# KiCad board 6502PC-6U.kicad_pcb (continued)
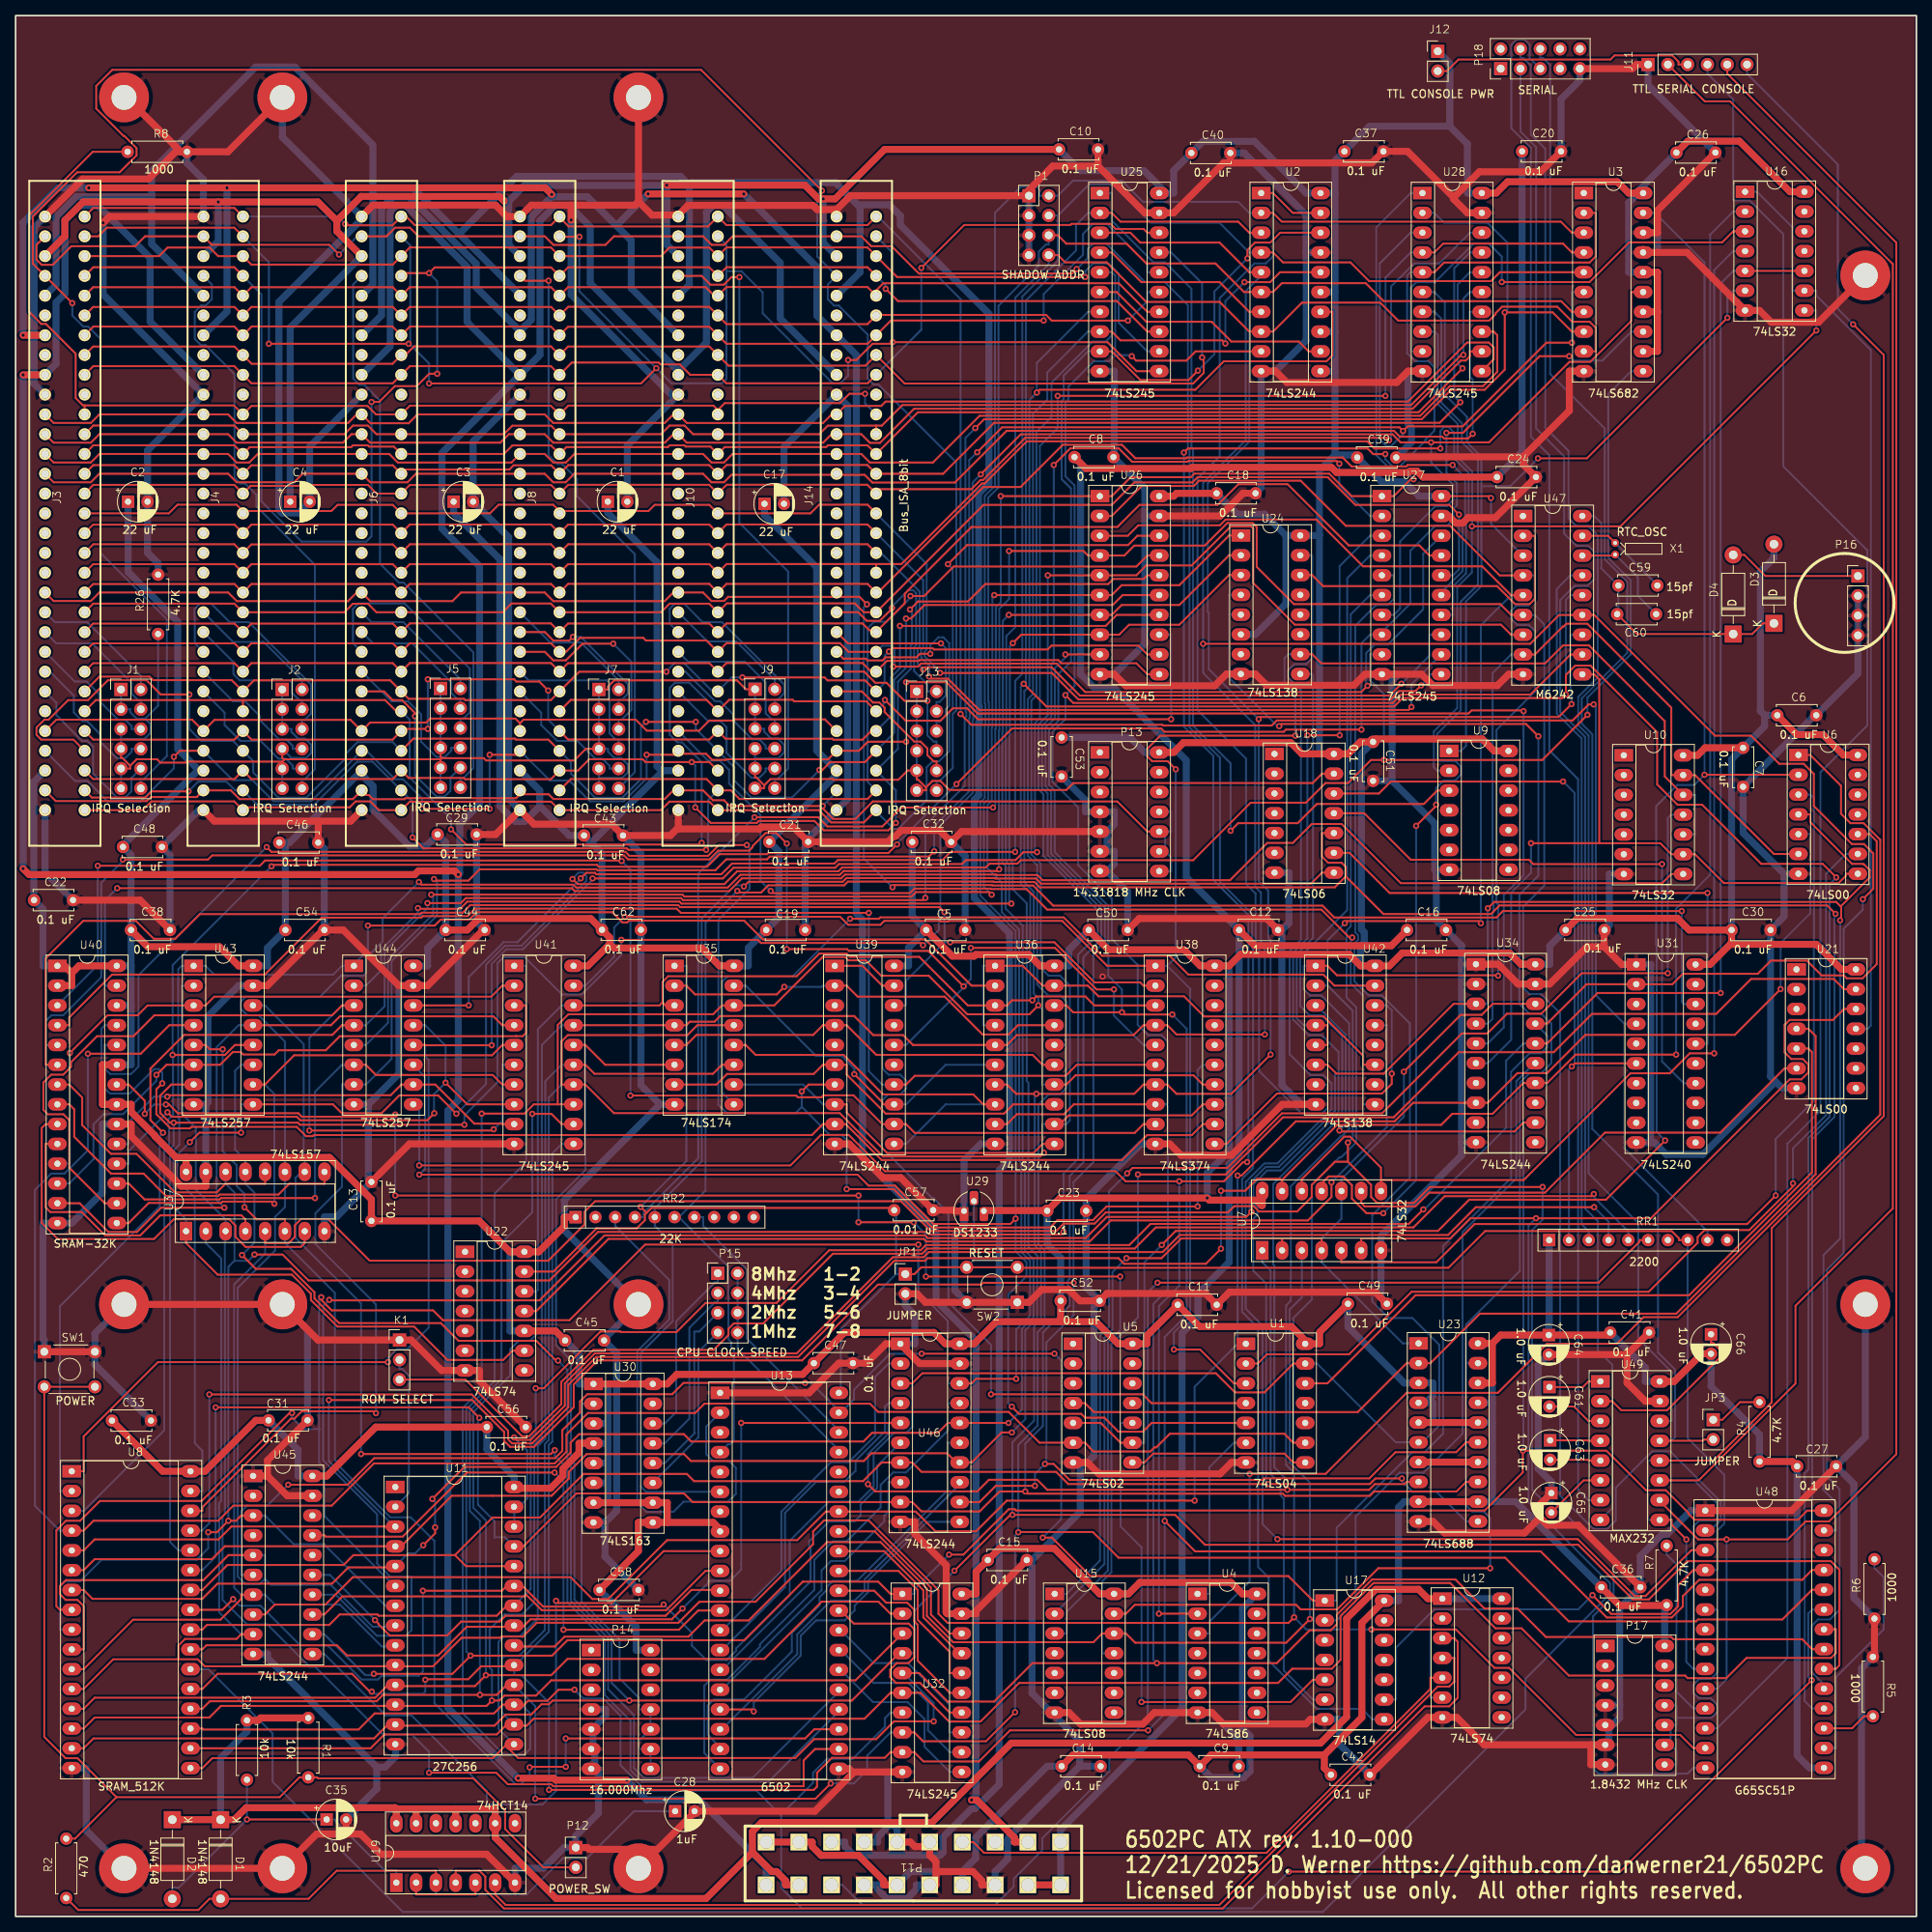
[diagram p0: board, top side]
## Routing (per net, layer and track width the routed paths; a pad name or vN(x,y) marks a point on that pad's centre or on a via; arc(x,y) is an arc through that point) (continued)
mA5: length 274.7
  Top w0.25: v1(127.46,63.35) U46.16 119.67,63.35 118.4,62.08 109.95,62.08 108.84,60.97 86.73,60.97 85.79,61.91 72.33,61.91 71.24,60.81 71.24,59.54 69.4,57.7 57.61,57.7 v1(53.5,53.59) ; v1(127.5,167.07) U26.7 140.71,167.07 141.98,168.34 149.38,168.34 155.76,174.72 U24.2 ; U8.7 8.73,41.9 9.87,40.77 23.96,40.77 25.91,42.72 40.62,42.72 42.71,44.81 48.78,44.81 ; v1(52.33,47.65) 53.86,49.17 v1(53.86,49.94)
  Bottom w0.25: v1(53.5,53.59) 53.86,53.24 v1(53.86,49.94) ; v1(127.5,167.07) 126.73,166.31 126.73,152.1 126.66,152.03 126.66,135.3 127.09,134.86 127.09,129.37 129.27,127.2 129.27,97.14 129.54,96.87 129.54,85.48 130.66,84.36 130.66,76.93 129.17,75.43 129.17,65.06 v1(127.46,63.35) ; U11.5 50.39,46.61 51.29,46.61 v1(52.33,47.65)
mA6: length 267.9
  Top w0.25: 49.06,47.35 49.34,47.35 55.99,54 61.22,54 61.23,54 68.8,54 71.02,56.22 71.02,57.06 73.31,59.35 85.8,59.35 86.69,58.46 108.88,58.46 109.87,59.45 119.57,59.45 120.76,58.27 U46.14 122.72,58.27 126.57,62.12 v1(127.89,62.12) ; 49.06,47.35 48.89,47.52 26.86,47.52 25.2,45.85 10.15,45.85 8.73,44.44 U8.6 ; 49.06,47.35 48.78,47.35 ; v1(128.01,163.44) 129.1,164.53 U26.8 141.66,164.53 142.93,165.8 149.38,165.8 155.76,172.18 U24.3
  Bottom w0.25: v1(128.01,163.44) 127.63,163.06 127.63,151.73 127.56,151.65 127.56,135.67 127.99,135.23 127.99,131.86 129.79,130.06 129.79,107.25 130.02,107.02 130.02,85.96 131.14,84.83 131.14,76.77 129.62,75.25 129.62,63.85 v1(127.89,62.12)
mA7: length 360.1
  Top w0.25: v1(40.21,66.28) 58.62,66.28 62.72,62.19 62.72,61.05 63.49,60.27 66.55,60.27 71.65,65.37 71.65,68.3 74.72,71.37 100.96,71.37 110.69,81.11 123.97,81.11 124.19,81.33 v1(135.8,81.33) ; 48.78,49.89 47.65,49.89 47.48,50.06 27.72,50.06 26.05,48.39 10.15,48.39 8.73,46.98 U8.5 ; U23.15 186.19,60.86 184.92,59.59 177.13,59.59 173.77,56.23 160.22,56.23 160.02,56.02 135.32,56.02 133.25,58.09 v1(132.13,58.09) ; U46.12 123.74,53.19 125.82,55.27 v1(130.84,55.27) ; U26.9 v1(134.75,161.99)
  Bottom w0.25: 48.78,49.89 40.21,58.45 v1(40.21,66.28) ; v1(130.84,55.27) 130.84,56.8 v1(132.13,58.09) 132.32,58.27 132.32,73.69 135.8,77.17 v1(135.8,81.33) 135.8,94.27 138.35,96.81 138.35,123.7 139.82,125.17 139.82,129.53 132.93,136.42 132.93,144.34 132.21,145.06 132.21,152.61 133.4,153.8 133.4,160.23 134.75,161.59 v1(134.75,161.99)
mA8: length 394.4
  Top w0.25: U23.13 186.19,55.78 184.96,54.55 174.4,54.55 173.84,53.99 162.95,53.99 162.67,54.27 129.89,54.27 v1(129.61,54.55) 126.31,54.55 123.75,52 116.29,52 115.1,53.19 U46.9 86.91,53.19 85.81,54.29 71.97,54.29 65.03,47.35 64.02,47.35 ; v1(169.92,186.48) 169.57,186.83 150.55,186.83 150.45,186.73 143.32,186.73 141.6,188.45 135.4,188.45 v1(133.26,186.31) ; v1(59.53,64) 58.17,65.35 v1(25.68,65.35)
  Bottom w0.25: v1(59.53,64) 59.36,63.83 59.36,52.85 61.48,50.73 61.48,48.67 62.82,48.67 U11.25 ; v1(129.61,54.55) 129.61,60.7 131.87,62.96 131.87,74.96 135.32,78.41 135.32,80.79 135.08,81.03 135.08,81.63 135.32,81.87 135.32,95.05 137.07,96.81 137.07,123.14 139.37,125.44 139.37,129.35 132.48,136.23 132.48,144.15 131.76,144.87 131.76,152.82 132.95,154.01 132.95,160.8 133.26,161.11 v1(133.26,186.31) ; v1(169.92,186.48) 169.92,183.72 173.87,179.77 U27.2 ; U8.27 23.97,44.44 25.68,46.14 v1(25.68,65.35)
mA9: length 326
  Top w0.25: v1(177.95,56.22) 174.56,56.22 173.84,55.5 v1(160.78,55.5) 135.12,55.5 133.56,57.07 116.3,57.07 115.1,58.27 U46.7 111.18,58.27 108.78,55.87 87.09,55.87 86.17,56.8 72.91,56.8 67.31,51.21 61.22,51.21 56.4,46.38 ; v1(165.82,151.62) v1(169.96,151.62) ; 56.4,46.38 56.39,46.38 43.37,46.38 42.1,45.11 27.18,45.11 23.97,41.9 U8.26 ; 56.4,46.38 57.81,44.96 U11.24 ; 64.02,44.81 62.89,44.81
  Bottom w0.25: U23.11 186.19,50.7 182.38,54.51 179.35,54.51 177.95,55.9 v1(177.95,56.22) ; v1(160.78,55.5) 160.53,55.76 160.53,81.25 158.86,82.91 158.86,89.53 159.39,90.06 159.39,90.96 158.89,91.46 158.89,93.99 160.66,95.76 162.41,95.76 169.82,103.17 169.82,110.96 167.65,113.13 165.99,113.13 164,115.12 164,123.71 165.82,125.53 v1(165.82,151.62) ; v1(169.96,151.62) 169.96,173.33 173.87,177.23 U27.3
mA10: length 331.3
  Top w0.25: v1(85.61,39.52) 84.26,38.18 84.26,38.14 66.1,38.14 65.14,37.19 57.92,37.19 54.23,33.5 42.55,33.5 41.24,34.81 24.5,34.81 23.97,34.28 U8.23 ; U23.8 178.57,55.78 178.28,55.49 174.48,55.49 173.74,54.76 v1(163.25,54.76) 132.43,54.76 131.14,56.05 124.94,56.05 123.45,54.56 110.34,54.56 v1(109.42,55.48) ; U46.5 v1(93.14,63.35)
  Bottom w0.25: U27.4 173.87,174.69 170.93,171.75 170.93,129.18 164.9,123.15 164.9,116.86 166.09,115.67 167.61,115.67 170.29,112.99 170.29,102.86 161.44,94.01 161.44,83.69 161.58,83.54 161.58,57.65 163.25,55.98 v1(163.25,54.76) ; v1(109.42,55.48) 109.42,59.35 112.05,61.98 112.05,63.35 U46.5 ; v1(85.61,39.52) 88.91,42.82 88.91,43.08 91.7,43.08 93.14,44.52 v1(93.14,63.35)
mA11: length 342.4
  Top w0.25: v1(83.18,40.04) 82.91,39.77 67.72,39.77 65.23,42.27 62.89,42.27 62.43,41.8 v1(52.29,41.8) ; U8.25 26.55,39.36 v1(27.92,40.73) ; U46.3 115.1,68.43 116.39,69.72 154.08,69.72 156.54,67.27 160.31,67.27 164.01,70.97 U1.13
  Bottom w0.25: v1(83.18,40.04) 86.81,36.41 86.81,34.76 88.65,32.92 91.19,32.92 91.26,32.86 92.5,34.1 92.5,34.41 99.37,41.28 99.37,48.21 104.41,53.25 108.21,53.25 110.14,55.18 110.14,59.44 112.78,62.08 114.35,62.08 115.1,62.82 115.1,68.43 U46.3 ; U27.5 176.92,172.15 176.92,169.12 176.14,168.34 174.65,168.34 171.97,165.66 171.97,126.33 172.35,125.96 172.35,125.35 171.87,124.88 171.87,120.03 173.69,118.21 175.4,118.21 178.97,114.63 178.97,94.83 174.14,90 174.14,78.93 176.26,76.81 179.32,76.81 182.74,73.39 182.74,63.01 180.58,60.86 U23.6 177.17,60.86 167.06,70.97 U1.13 ; v1(27.92,40.73) 28.76,39.89 31.43,39.89 36.51,34.81 40.03,34.81 44.42,30.41 46.53,30.41 47,30.89 51.74,30.89 52.29,31.43 v1(52.29,41.8)
mA12: length 370.4
  Top w0.25: U1.9 164.01,60.81 162.86,61.96 148.17,61.96 146.43,60.22 146.2,60.22 145.67,59.68 138.34,59.68 137.86,60.17 137.86,60.22 137.27,60.81 U5.6 131.43,60.81 127.48,64.76 110.73,64.76 109.68,65.82 88.42,65.82 87.22,64.62 73.47,64.62 70.72,61.87 70.72,59.65 69.21,58.15 45.99,58.15 40.58,52.73 27.95,52.73 26.01,50.79 10,50.79 8.73,49.52 U8.4 ; v1(9.28,110.74) 16.06,110.74 19.72,114.4 U43.4
  Bottom w0.25: U8.4 5.68,49.52 2.49,52.71 2.49,93.27 4.57,95.35 6.29,95.35 9.28,98.34 v1(9.28,110.74) ; U1.9 164.01,60.81 164.01,76.8 166.4,79.18 166.4,93.9 169.93,97.43 170.15,97.43 172.09,99.38 172.09,116.72 170.85,117.96 170.85,126.54 171.38,127.07 171.38,167.13 173.87,169.61 U27.6
mA13: length 377.9
  Top w0.25: v1(123.9,185.12) 129.03,190.25 176.75,190.25 177.79,189.21 v1(181.7,189.21) 189.13,189.21 199.47,199.55 202.14,199.55 207.39,204.8 207.39,208.51 208.92,208.51 ; v1(57.61,101.62) 36.5,101.62 36.23,101.89 v1(20.3,101.89) 19.81,101.89 18.56,103.14 18.56,105.36 19.98,106.78 U43.7 ; v1(116.48,124.66) 116.19,124.96 95.67,124.96 95.28,125.35 v1(77.75,125.35)
  Bottom w0.25: v1(77.75,125.35) 77.75,123.44 72.66,118.35 70.14,118.35 65.34,123.15 62.65,123.15 61.84,122.34 61.84,107.05 57.61,102.82 v1(57.61,101.62) ; U8.28 20.92,46.98 19.82,48.08 19.82,98.49 20.3,98.97 v1(20.3,101.89) ; v1(116.48,124.66) 116.55,124.66 118.52,126.64 118.52,129.2 118.72,129.4 118.72,140.09 122.86,144.23 122.86,153.6 122.93,153.67 122.93,155.02 122.86,155.1 122.86,184.08 v1(123.9,185.12) ; v1(181.7,189.21) 181.7,186.64 184.55,183.79 184.55,181.83 183.76,181.04 182.27,181.04 177.72,176.49 177.72,167.87 176.92,167.07 U27.7
mA14: length 329.8
  Top w0.25: v1(20.15,110.59) 26.88,110.59 28.15,111.86 U43.12 ; v1(199.43,200.28) 195.62,200.28 185.79,190.44 v1(183.67,190.44) ; v1(113.15,137.61) 112.04,136.5 96.62,136.5 96.48,136.36 90.38,136.36 88.77,134.74 74.86,134.74 74.62,134.99 33.04,134.99 v1(32.84,134.79) ; v1(120.78,145.35) 127.92,152.49 147.05,152.49 147.47,152.07 162.79,152.07 163.07,152.35 172.75,152.35 v1(172.76,152.34)
  Bottom w0.25: v1(183.67,190.44) 183.67,185.33 185.02,183.98 185.02,181.14 184.55,180.67 184.55,179.3 183.76,178.51 182.24,178.51 179.04,175.31 179.04,168.53 175.04,164.53 ; v1(199.43,200.28) 200,199.71 203.67,199.71 207.39,203.43 208.92,203.43 ; v1(20.15,110.59) 20.15,110.59 20.17,110.59 ; v1(172.76,152.34) 172.76,163.43 173.87,164.53 175.04,164.53 ; 175.04,164.53 U27.8 ; U8.3 8.73,52.06 19.08,62.4 19.08,98.39 19.71,99.02 19.71,101.29 19.57,101.43 19.57,102.28 20.22,102.93 20.22,110.54 20.17,110.59 ; 20.17,110.59 20.17,122.12 v1(32.84,134.79) ; v1(113.15,137.61) 113.15,137.72 v1(120.78,145.35)
mA15: length 335.8
  Top w0.25: v1(22.36,99.38) 23.59,100.61 v1(28.95,100.61) ; v1(201.77,154.24) 195.98,148.45 v1(175.65,148.45) 174,148.45 171.04,145.49 168.15,145.49 165.62,142.96 158.53,142.96 151.15,135.58 129.04,135.58 128.59,135.13 125.02,135.13 124.52,134.64 106.09,134.64 105.61,134.16 92.63,134.16 90.98,132.51 72.16,132.51 71.51,133.16 v1(71.48,133.16) ; v1(56.58,103.04) 54.23,105.39 49.26,105.39 46.97,103.1 41.88,103.1 40.74,104.24 U43.9
  Bottom w0.25: U8.31 23.97,54.6 23.97,59.76 23,60.73 23,92.25 20.75,94.51 20.75,97.77 v1(22.36,99.38) ; U43.9 28.95,104.24 v1(28.95,100.61) ; v1(175.65,148.45) 175.65,156.89 173.87,158.67 173.87,161.99 U27.9 ; v1(71.48,133.16) 71.48,133.22 72.25,133.98 72.85,133.98 73.27,133.56 73.27,132.93 64.94,124.6 62.82,124.6 60.39,122.18 60.39,106.85 v1(56.58,103.04) ; v1(201.77,154.24) 201.77,156.45 207.33,162.01 207.33,171.52 204.44,174.41 204.44,195.4 207.39,198.35 208.92,198.35
mA16: length 349.4
  Top w0.25: v1(123.2,191.05) 124.32,192.18 180.49,192.18 184.27,195.96 188.57,195.96 191.16,198.55 v1(191.16,205.9) 197.31,205.9 199.77,203.43 U3.8 ; v1(52.87,130.07) 57.15,130.07 57.79,130.71 85.42,130.71 85.68,130.46 116.5,130.46 v1(116.78,130.75) ; v1(18.92,100.6) 17.31,102.22 17.31,108.83 21.64,113.16 40.66,113.16 41.9,114.4 U44.4
  Bottom w0.25: U8.2 5.68,54.6 5.68,78.31 18.49,91.12 18.49,100.18 v1(18.92,100.6) ; v1(191.16,205.9) 191.5,206.25 191.5,214.85 188.95,217.4 183.39,217.4 182.12,218.67 U28.2 ; v1(52.87,130.07) 52.87,129.41 47.37,123.91 47.37,116.82 44.95,114.4 U44.4 ; v1(116.78,130.75) 116.78,140.08 121.82,145.12 121.82,153.84 122.03,154.05 122.03,154.65 121.93,154.75 121.93,189.79 v1(123.2,191.05)
mA17: length 353.9
  Top w0.25: v1(53.71,133.16) 53.92,132.96 58.13,132.96 59.58,134.41 74.55,134.41 74.68,134.29 89.83,134.29 91.23,135.69 96.45,135.69 96.81,136.05 117.25,136.05 v1(117.92,136.72) ; v1(123.44,187.95) 126.64,191.15 177.63,191.15 v1(178.1,190.68) 178.7,191.27 185.76,191.27 196.5,202.01 v1(199.77,202.01) ; U8.30 23.97,52.06 23.97,52.53 35.34,63.9 35.79,63.9 36.73,64.84 46.01,64.84 v1(46.26,64.59)
  Bottom w0.25: v1(46.26,64.59) 46.26,78.56 38.49,86.34 38.49,90.25 41.9,93.66 41.9,106.78 U44.7 44.95,106.78 48.27,110.1 48.27,122.65 54.1,128.48 54.1,132.77 v1(53.71,133.16) ; v1(117.92,136.72) 117.92,139.94 122.41,144.43 122.41,153.79 122.48,153.86 122.48,154.84 122.41,154.91 122.41,186.92 v1(123.44,187.95) ; v1(178.1,190.68) 178.1,190.26 176.57,188.73 175.99,188.73 175.12,189.6 175.12,212.18 179.07,216.13 U28.3 ; U3.6 199.77,208.51 v1(199.77,202.01)
mA18: length 335.8
  Top w0.25: U44.12 52.57,111.86 52.61,111.82 v1(61.12,111.82) ; v1(47.8,71.15) 18.27,71.15 8.73,61.62 8.73,57.14 U8.1 ; U3.4 199.77,213.59 198.64,214.73 183.26,214.73 182.12,213.59 U28.4 ; v1(175.84,195.18) v1(133.77,195.18) ; v1(131.12,136.61) 129.36,136.61 128.34,135.59 121.99,135.59 121.49,135.09 105.68,135.09 105.2,134.61 92.15,134.61 90.78,133.24 v1(74.07,133.24)
  Bottom w0.25: U28.4 179.07,213.59 175.84,210.37 v1(175.84,195.18) ; U44.12 52.57,111.86 52.57,110.41 53.02,109.96 53.02,75.57 50.27,72.82 48.96,72.82 47.8,71.66 v1(47.8,71.15) ; v1(131.12,136.61) 130.86,136.88 130.86,153.19 131.48,153.82 131.48,188.77 133.77,191.05 v1(133.77,195.18) ; v1(74.07,133.24) 74.07,133.09 65.13,124.15 63,124.15 61.12,122.27 v1(61.12,111.82)
mA19: length 366
  Top w0.25: v1(175.82,187.71) 174.27,187.71 173.55,188.44 150.5,188.44 v1(149.97,187.9) ; U3.2 202.82,218.67 202.82,213.07 202.05,212.3 183.36,212.3 182.12,211.05 U28.5 ; U4.2 v1(146.77,38.86) ; v1(158.09,96.84) 157.58,96.84 155.1,94.36 v1(149.38,94.36) 142.49,94.36 141.2,95.66 111.61,95.66 106.95,100.31 103.37,100.31 99.46,96.4 v1(51.81,96.4)
  Bottom w0.25: U44.9 51.81,103.48 v1(51.81,96.4) ; U28.5 179.07,211.05 178.62,210.6 178.62,200.66 179.66,199.62 181.35,199.62 182.12,198.86 182.12,190.71 180.98,189.57 180.98,189.42 177.67,186.12 176.76,186.12 175.82,187.05 v1(175.82,187.71) ; v1(149.38,94.36) 149.38,80.95 146.77,78.34 v1(146.77,38.86) ; v1(149.97,187.9) 149.97,152.73 153.75,148.95 153.75,133.03 158.25,128.54 158.25,97 v1(158.09,96.84)
mD0: length 670.3
  Top w0.25: U25.2 140.71,218.67 141.83,217.55 156.95,217.55 158.36,216.13 U2.3 ; U38.3 138.47,116.94 137.33,118.09 131.01,118.09 v1(130.52,117.6) 127.91,117.6 127.25,116.94 U36.3 122.23,116.94 116,123.18 107.1,123.18 106.68,123.6 103.18,123.6 100.27,120.69 83.78,120.69 83.04,119.95 83.04,117.33 ; U8.13 8.73,26.66 10.15,28.07 46.16,28.07 47.65,29.57 58.97,29.57 v1(60.37,30.97) 68.76,30.97 70.85,33.06 96.13,33.06 103.48,40.41 110.75,40.41 112.3,38.86 U32.2 ; 83.04,117.33 83.43,116.94 U35.3 ; 83.04,117.33 82.65,116.94 U41.18 ; v1(233.71,133.37) 231.97,135.11 224.08,135.11 216.5,142.7 213.33,142.7 210.72,145.31 210.72,152 202.15,160.57 200.21,160.57 199.01,159.36 v1(199.01,156.85) 198.55,156.39 178.05,156.39 176.97,155.32 132.32,155.32 v1(129.41,158.22)
  Bottom w0.25: v1(233.71,133.37) 232.86,132.52 232.86,102.66 230.16,99.95 230.16,57.4 229.66,56.9 229.66,27.64 230.61,26.69 U48.18 ; v1(130.52,117.6) 130.24,117.87 130.24,131.35 129.03,132.56 129.03,157.85 v1(129.41,158.22) 129.68,158.49 129.68,207.42 136.12,213.87 136.12,217.14 137.66,218.67 U25.2 ; U47.14 199.59,169.6 199.01,169.02 v1(199.01,156.85) ; 66.84,80.24 66.84,74.69 66.04,73.89 64.59,73.89 63.49,72.8 63.49,69.46 58.76,64.72 58.76,52.45 60.37,50.83 v1(60.37,30.97) ; 66.84,80.24 67.04,80.44 67.04,113.88 70.1,116.94 U41.18 ; 66.84,80.24 U22.12
mD1: length 640.5
  Top w0.25: U25.3 143.1,216.13 144.37,214.86 154.55,214.86 158.36,211.05 U2.5 ; U8.14 8.73,24.12 10.15,25.53 24.87,25.53 26.36,27.03 60.45,27.03 v1(61.14,27.72) 62.11,27.72 62.75,28.35 66.8,28.35 68.76,30.3 107.81,30.3 U32.3 ; v1(152.44,163.36) 194.42,163.36 198.12,167.06 U47.13 202.64,167.06 218.13,151.57 222.78,151.57 226.4,147.96 229.53,147.96 230.83,146.65 230.83,142.53 235.71,137.65 237.26,137.65 238.46,136.45 238.46,131.91 v1(237.12,130.58) ; v1(160.36,113.21) 149.02,113.21 147.83,114.4 U38.4 144.78,114.4 143.51,113.13 128.52,113.13 127.25,111.86 U36.5 115.2,111.86 113.93,113.13 110.09,113.13 107.65,115.58 90.44,115.58 89.71,114.85 86.55,114.85 86.1,114.4 U35.4 U41.17
  Bottom w0.25: v1(237.12,130.58) 237.12,129.25 234.66,126.78 234.66,85.14 232.51,83 232.51,56.45 234.13,54.84 234.13,39.35 232.9,38.12 231.36,38.12 230.56,37.31 230.56,31.35 232.13,29.78 U48.19 ; v1(160.36,113.21) 160.36,124.17 159.85,124.68 159.85,131.44 159.12,132.17 159.12,152.94 152.44,159.62 v1(152.44,163.36) 152.44,184.02 157.9,189.49 157.9,208.62 159.89,210.61 U2.5 ; U41.17 70.1,114.4 67.55,111.85 67.55,61.53 66.58,60.56 66.58,40.31 65.03,38.76 62.75,38.76 62.75,38.76 60.86,36.87 60.86,31.94 61.14,31.65 v1(61.14,27.72)
mD2: length 641.7
  Top w0.25: U32.4 113.43,33.78 107.35,27.71 v1(78.77,27.71) 68.94,27.71 68.46,27.23 67.5,27.23 66.19,25.92 62.91,25.92 61.48,24.49 47.65,24.49 46.01,22.85 10,22.85 8.73,21.58 U8.15 ; U25.4 140.71,213.59 144.52,209.78 154.55,209.78 158.36,205.97 U2.7 ; v1(199.73,155.62) 198.07,153.97 159.84,153.97 v1(159.57,153.69) ; v1(161.09,110.64) 156.05,105.59 149.02,105.59 147.83,106.78 U38.7 144.78,106.78 143.59,105.59 v1(131.03,105.59) 128.45,105.59 127.25,106.78 U36.7 ; U41.16 73.15,111.86 75.69,109.32 U35.6 ; v1(120.52,44.38) 127.68,51.54 v1(127.96,51.54) 148.85,51.54 152.69,47.71 200.59,47.71 207.61,40.68 209.64,40.68 214.56,45.6 233.01,45.6 234.11,44.51 234.11,32.22 233.66,31.77 U48.20
  Bottom w0.25: v1(131.03,105.59) 130.82,105.38 130.82,86.11 131.62,85.31 131.62,76.61 130.74,75.74 130.74,63.64 127.96,60.86 v1(127.96,51.54) ; v1(120.52,44.38) 115.35,39.21 115.35,33.78 U32.4 ; v1(199.73,155.62) 199.73,157.15 199.59,157.29 199.59,164.52 U47.12 ; U41.16 73.15,111.86 73.15,95.82 69.37,92.04 69.37,73.3 71.28,71.39 71.28,58.58 71.73,58.13 71.73,40.68 76.51,35.91 76.51,29.97 v1(78.77,27.71) ; U2.7 158.36,205.97 158.36,189.31 153.04,183.98 153.04,167.46 153.16,167.34 153.16,160.1 v1(159.57,153.69) 159.57,132.9 160.8,131.67 160.8,125.59 161.09,125.3 v1(161.09,110.64)
mD3: length 660.5
  Top w0.25: U41.15 73.15,109.32 74.31,108.16 89.52,108.16 90.67,109.32 U35.11 ; 64.02,21.95 62.89,21.95 ; 62.89,21.95 64.5,20.34 100.08,20.34 102.51,22.76 110.47,22.76 112.75,25.04 v1(117.85,25.04) ; 62.89,21.95 61.27,20.32 25.26,20.32 23.97,19.04 U8.17 ; U2.9 151.47,200.89 150.28,199.71 143.85,199.71 v1(143.28,200.27) ; U38.8 135.84,104.24 134.57,102.97 128.52,102.97 127.25,101.7 U36.9 ; U32.5 115.97,31.24 119.64,27.58 125.61,27.58 130.54,32.51 v1(146.51,32.51) 161.89,32.51 166.11,36.73 168.82,36.73 169.62,37.53 169.62,38.75 174.12,43.25 184.82,43.25 188.55,39.52 192.79,39.52 196.44,35.87 212.53,35.87 212.82,35.58 229.34,35.58 230.61,34.31 U48.21 ; v1(134.76,156.77) 135.77,155.77 176.78,155.77 177.86,156.84 194.45,156.84 199.59,161.98 U47.11
  Bottom w0.25: 147.72,104.24 147.88,104.41 147.88,112.31 147.06,113.13 145.37,113.13 144.05,114.46 144.05,122.15 140.72,125.47 140.72,130.62 136.4,134.94 136.4,142.37 133.11,145.66 133.11,152.04 134.76,153.69 v1(134.76,156.77) 135.93,157.94 135.93,183.7 134.76,184.87 134.76,194.37 135.16,194.76 135.16,196.38 138.4,199.62 140.36,199.62 141.16,200.42 ; 147.72,104.24 U38.8 ; 147.72,104.24 147.91,104.05 147.91,80.47 146.04,78.6 146.04,32.98 v1(146.51,32.51) ; 141.16,200.42 141.16,210.6 140.71,211.05 U25.5 ; 141.16,200.42 143.13,200.42 v1(143.28,200.27) ; U11.15 61.98,24.1 61.98,35.2 62.75,35.97 64.78,35.97 67.03,38.22 67.03,60.37 68,61.34 68,107.22 70.1,109.32 U41.15 ; v1(117.85,25.04) 117.85,27.39 114,31.24 U32.5
mD4: length 596.9
  Top w0.25: U48.22 233.66,36.85 233.66,33.81 233.03,33.18 222.2,33.18 219.6,30.59 214.63,30.59 214.3,30.92 199.38,30.92 193.31,36.98 189.96,36.98 184.14,42.8 174.31,42.8 170.08,38.57 170.08,32.93 168.95,31.79 163.89,31.79 162.06,29.97 128.83,29.97 123.88,25.02 119.83,25.02 116.15,28.7 U32.6 112.3,28.7 108.98,25.38 66.5,25.38 65.61,24.49 62.89,24.49 61.77,23.36 47.35,23.36 45.57,21.58 U8.18 ; U25.6 141.33,208.51 145.14,204.7 153.52,204.7 156.06,202.16 164.71,202.16 165.98,200.89 U2.12 ; U35.13 87.51,114.4 86.24,113.13 70.9,113.13 70.1,112.33 70.1,106.78 U41.14 73.15,106.78 76.81,103.12 105.78,103.12 111.35,97.55 131.53,97.55 v1(132.01,98.02) ; U38.13 152.4,104.24 150.99,102.83 135.18,102.83 134.06,101.7 U36.12
  Bottom w0.25: U41.14 70.1,106.78 68.45,105.13 68.45,61.15 67.93,60.64 67.93,36.76 64.6,33.43 62.75,33.43 62.45,33.13 62.45,26.17 U11.16 ; U25.6 140.71,208.51 140.71,202.92 139.95,202.16 138.25,202.16 132.98,196.89 132.98,192.5 131.03,190.55 131.03,156.71 130.38,156.06 130.38,136.33 131.59,135.12 131.59,121.76 132.6,120.75 134.08,120.75 135.33,119.49 135.33,102.16 134.87,101.7 U36.12 131.82,101.7 131.82,98.21 v1(132.01,98.02)
mD5: length 640
  Top w0.25: v1(131.28,116.95) 130.14,115.8 122.17,115.8 117.22,120.75 111.11,120.75 109.14,122.72 106.91,122.72 106.49,123.15 103.59,123.15 97.38,116.94 U35.14 90.67,116.94 89.54,115.81 70.97,115.81 69.59,114.42 69.59,104.24 ; v1(131.09,195.61) 131.45,195.97 151.44,195.97 155.09,199.62 168.28,199.62 169.03,200.38 169.03,205.97 U2.14 ; U8.19 23.97,24.12 24.1,23.99 44.03,23.99 46.09,26.06 61.4,26.06 62.53,27.18 U11.17 ; U38.14 152.4,106.78 151.21,107.97 136.07,107.97 134.87,106.78 U36.14 ; v1(163.42,5.75) 205.98,5.75 v1(230.56,30.32) ; 63.45,27.03 65.14,27.03 65.79,27.68 68.27,27.68 69.7,29.1 v1(71.74,29.1) ; 69.59,104.24 U41.13 ; 69.59,104.24 66.51,104.24 65.32,103.06 v1(59.83,103.06)
  Bottom w0.25: v1(71.74,29.1) 72.87,27.98 75.44,27.98 77.65,25.76 77.65,19.41 80.92,16.14 95.11,16.14 98.22,13.02 ; U32.7 112.3,26.16 111.6,25.46 111.6,24.37 107.45,20.22 104.15,20.22 102.37,18.44 102.37,17.17 98.22,13.02 ; 98.22,13.02 98.28,12.96 98.28,3.67 100.91,1.05 158.72,1.05 v1(163.42,5.75) ; U48.23 230.61,39.39 230.11,38.89 230.11,30.77 v1(230.56,30.32) ; v1(59.83,103.06) 59.83,67.7 57.41,65.28 57.41,26.05 57.91,25.55 57.92,25.55 62.49,20.98 62.49,20.87 62.55,20.81 65.37,20.81 66.05,21.49 66.05,26.06 64.93,27.18 U11.17 ; U25.7 137.66,205.97 131.09,199.41 v1(131.09,195.61) 130.13,194.65 130.13,157.92 129.48,157.27 129.48,132.74 130.69,131.53 130.69,118.45 131.28,117.86 v1(131.28,116.95) 131.82,116.41 131.82,106.78 U36.14
mD6: length 547.5
  Top w0.25: v1(128.3,26.21) 124.57,22.49 116.48,22.49 115.35,23.62 U32.8 ; U48.24 230.61,41.93 226.8,38.12 215.96,38.12 215.72,37.88 199.37,37.88 191.2,46.05 141.59,46.05 138.29,49.35 128.75,49.35 v1(128.71,49.31) ; 64.02,29.57 62.89,29.57 61.77,28.44 v1(59.6,28.44) 47.16,28.44 46.35,27.62 24.94,27.62 23.97,26.66 U8.20 ; U41.12 70.1,101.7 68.78,103.02 v1(66.31,103.02) ; v1(66.7,15.11) 102.68,15.11 v1(104.64,17.07) ; v1(155.29,201.91) 154.89,202.31 141.83,202.31 140.71,203.43 U25.8 ; v1(157.74,209.78) 161.04,209.78 162.31,211.05 U2.16
  Bottom w0.25: v1(128.3,26.21) 128.3,48.9 v1(128.71,49.31) 128.71,60.52 131.19,63 131.19,75.01 132.1,75.91 132.1,85.47 131.28,86.28 131.28,104.18 132.61,105.51 134.07,105.51 134.87,106.32 134.87,111.86 ; v1(104.64,17.07) 107.6,17.07 109.32,18.78 109.32,20.64 112.3,23.62 U32.8 ; 134.87,111.86 134.87,117.46 134.12,118.21 132.55,118.21 131.14,119.62 131.14,134.93 129.93,136.14 129.93,156.25 130.58,156.9 130.58,192.86 132.43,194.71 132.43,198.21 137.66,203.43 U25.8 ; 134.87,111.86 U36.16 ; v1(157.74,209.78) 155.29,207.33 v1(155.29,201.91) ; v1(66.7,15.11) 66.7,27 U11.18 ; v1(66.31,103.02) 66.31,90.38 62.38,86.44 62.38,68.98 58.31,64.91 58.31,52.04 59.6,50.74 v1(59.6,28.44)
mD7: length 556.9
  Top w0.25: v1(68.47,16.24) 102.46,16.24 102.88,16.66 102.88,18.44 104.8,20.36 111.58,20.36 112.3,21.08 U32.9 115.35,21.08 116.54,19.89 123.66,19.89 127.65,23.88 v1(145.37,23.88) ; U48.25 230.61,44.47 229.34,43.2 216.11,43.2 214.02,41.1 214.02,39.79 212.6,38.37 204.26,38.37 195.77,46.86 151.41,46.86 v1(147.5,50.77) ; v1(45.73,28.85) 45.47,28.85 43.19,31.14 25.91,31.14 23.97,29.2 U8.21 ; U2.18 162.33,216.13 161.06,214.86 159.09,214.86 158.13,213.9 v1(158.13,212.84) ; U25.9 140.71,200.89 144.39,197.22 150.56,197.22 v1(151.77,198.43) ; v1(52.59,30.38) 52.66,30.45 58.1,30.45 59.76,32.11 64.02,32.11 ; U36.18 134.87,116.94 135.76,116.06 v1(142.02,116.06) 142.3,115.78 v1(148.48,115.78)
  Bottom w0.25: v1(45.73,28.85) 45.99,28.6 52.33,28.6 52.59,28.85 v1(52.59,30.38) ; v1(148.48,115.78) 150.33,113.93 150.33,77.22 147.5,74.39 v1(147.5,50.77) 147.5,26.01 v1(145.37,23.88) ; v1(151.77,198.43) 153.89,200.55 153.89,208.59 v1(158.13,212.84) ; U25.9 137.66,200.89 134.55,197.78 134.55,194.78 134.28,194.52 134.28,184.49 135.48,183.29 135.48,161.08 133.85,159.45 133.85,153.45 132.66,152.26 132.66,145.25 133.38,144.52 133.38,136.61 140.27,129.72 140.27,120.74 142.02,118.98 v1(142.02,116.06) ; U41.11 70.1,99.16 68.9,97.96 68.9,60.97 68.45,60.51 68.45,36.54 64.02,32.11 64.02,30.98 64.94,30.98 68.47,27.44 v1(68.47,16.24)
MMU-ENABLE: length 201.8
  Top w0.25: U37.1 21.88,86.44 25.93,82.38 35.46,82.38 37.91,79.93 37.91,79.12 41.32,75.71 51.16,75.71 55.44,71.43 62.6,71.43 63.79,72.62 U22.9 ; U36.2 122.71,119.48 116.78,125.41 95.94,125.41 93.52,127.82 78.73,127.82 78.5,127.59 77.9,127.59 76.59,128.9 59.16,128.9 58.21,127.95 54.56,127.95 53.8,127.19 v1(45.22,127.19)
  Bottom w0.25: U37.1 21.88,89.49 20.28,91.08 20.28,98.32 21.03,99.06 21.03,102.37 20.88,102.52 20.88,121.57 21.33,122.02 U43.1 24.38,122.02 25.5,120.9 40.78,120.9 41.9,122.02 43.23,122.02 ; U44.1 43.23,122.02 ; 43.23,122.02 45.22,124.01 v1(45.22,127.19)
MRDY: length 69.2
  Bottom w0.25: U13.2 88.65,62.89 88.65,59.33 89.53,58.46 91.56,58.46 92.46,57.56 92.46,54.25 91.45,53.24 85.74,53.24 84.43,51.93 80.98,51.93 79.81,53.1 79.81,72.55 83.9,76.64 83.9,81.7 76.97,88.64 RR2.3
PG: length 175.9
  Top w0.25: RR1.6 208.43,86.82 208.43,86.58 203.2,81.35 v1(146.58,81.35)
  Bottom w0.25: 104.74,4.04 106.13,4.04 108.68,1.5 125.78,1.5 128.12,3.84 128.12,4.83 131.8,8.51 131.8,10.04 140.4,18.64 140.4,20.39 145.34,25.33 145.34,80.11 v1(146.58,81.35)
PULLUP1: length 89.3
  Bottom w0.25: RR1.3 201.94,87.94 201.02,88.86 201.02,151.22 197.83,154.41 197.83,170.38 199.59,172.14 U47.15
PULLUP2: length 171
  Top w0.25: v1(202.62,91.04) 187.44,91.04 183.87,87.47 149.43,87.47 147.24,85.28 117.22,85.28 116.56,84.62 112.61,84.62 100.27,72.27 74.35,72.27 70.5,68.43 70.5,65.57 66.11,61.17 64.3,61.17 v1(63.99,61.48)
  Bottom w0.25: RR1.4 204.48,89.18 v1(202.62,91.04) ; v1(63.99,61.48) 65.63,59.84 65.68,59.84 65.68,53.63 64.63,52.58 U11.27 ; 64.02,49.89 64.02,52.43
PULLUP3: length 179.1
  Top w0.25: v1(202.59,92.74) 202.31,92.46 183.44,92.46 179.43,88.44 146.36,88.44 143.65,85.73 117.04,85.73 116.37,85.07 104.91,85.07 95.96,76.12 92.19,76.12 91.51,75.43 91.51,74.62 89.61,72.72 74.16,72.72 70.05,68.62 70.05,65.77 65.91,61.63 65.02,61.63 57.74,68.91 K1.3